# Altium PCB DSP_FPGA.PcbDoc (part 7 of 7)
Units mm, origin at the board's own origin, x right, y up, seen from the top; angles counter-clockwise.
Board outline 243.59 x 170.13 mm, 2 copper layers (Top Layer, Bottom Layer); 649 components, 606 nets, 2327 pads, 2753 vias.
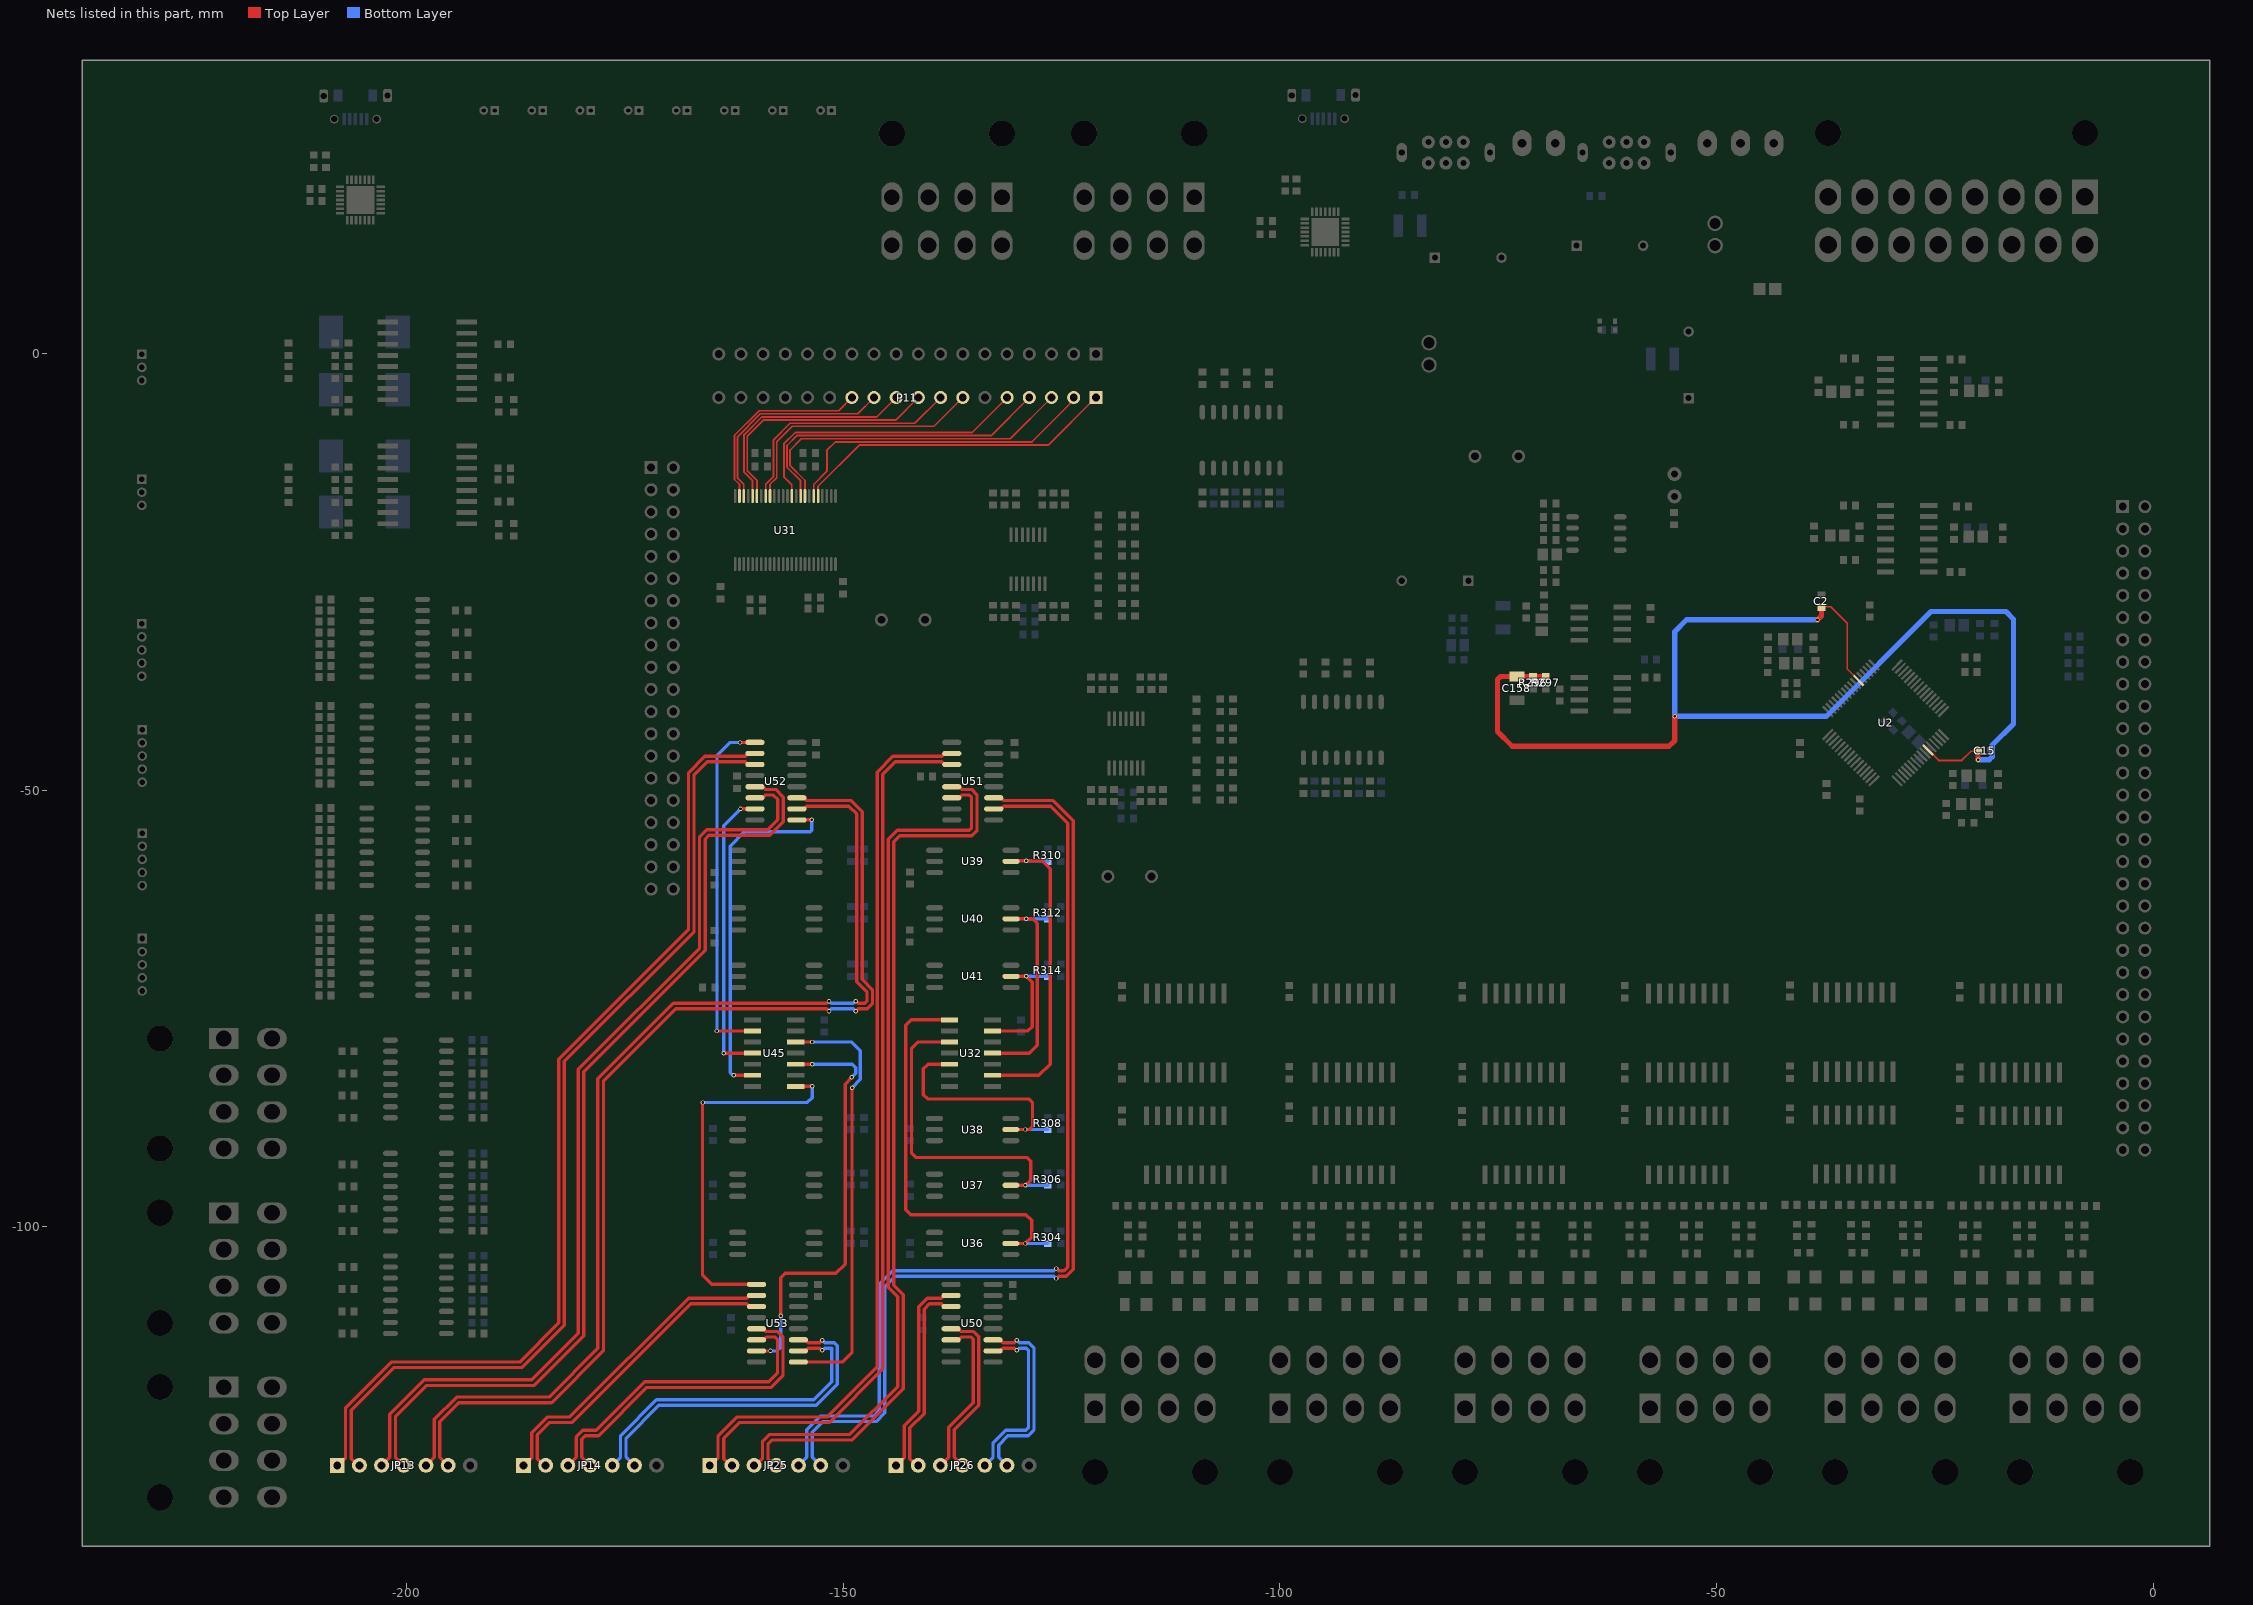
[diagram p7: the nets of this part, all layers, seen from the top]

## Via types
v1: diameter 0.5, hole 0.3, Top Layer to Bottom Layer, tented both sides, 2737 vias
v2: diameter 1.016, hole 0.508, Top Layer to Bottom Layer, tented both sides, 9 vias
v3: diameter 1, hole 0.5, Top Layer to Bottom Layer, tented both sides, 4 vias
v4: diameter 1.2, hole 0.6, Top Layer to Bottom Layer, tented both sides, 2 vias
v5: diameter 1.524, hole 0.762, Top Layer to Bottom Layer, tented both sides, 1 vias

## Nets (pads, with @x,y where several pads share a name; then routed paths per layer and width w, separated by ;. In a path a pad name is that pad's centre, name@x,y a point inside that pad or via, vN(x,y) a via of type N, cw(c..) or ccw(c..) an arc to the next point about the centre after c; other vN are vias at no path point) (continued)
PWM_PULSE_1+: JP25.1 U51.2 | length 102.8
  Top Layer w0.381: JP25.1@-165.295,-127.299 -164.635,-126.639 -164.565,-126.639 -164.342,-126.416 -164.342,-123.931 -162.179,-121.768 -151.901,-121.768 -146.126,-115.993 -146.126,-47.916 -144.312,-46.102 -138.711,-46.102 -138.394,-45.784 U51.2@-137.579,-45.784
PWM_PULSE_1-: JP25.2 U51.3 | length 101.8
  Top Layer w0.381: JP25.2@-162.755,-127.299 -162.965,-127.299 -163.707,-126.556 -163.707,-124.194 -161.916,-122.403 -151.638,-122.403 -145.491,-116.256 -145.491,-48.179 -144.049,-46.737 -138.711,-46.737 -138.394,-47.054 U51.3@-137.579,-47.054
PWM_PULSE_2: P11.5 U31.35 | length 34.1
  Top Layer w0.203: U31.35@-155.892,-16.306 -155.892,-15.015 -156.807,-14.1 -156.807,-10.325 -155.516,-9.034 -135.246,-9.034 P11.5@-131.242,-5.029
PWM_PULSE_2+: JP25.3 U51.6 | length 100.5
  Top Layer w0.381: JP25.3@-160.215,-127.299 -160.004,-127.299 -159.262,-126.556 -159.262,-124.617 -158.407,-123.761 -149.238,-123.761 -143.764,-118.288 -143.764,-108.01 -144.852,-106.922 -144.852,-55.633 -143.804,-54.585 -135.554,-54.585 -135.331,-54.361 -135.331,-50.77 -135.554,-50.547 -136.446,-50.547 -136.764,-50.864 U51.6@-137.579,-50.864
PWM_PULSE_2-: JP25.4 U51.5 | length 101.6
  Top Layer w0.381: JP25.4@-157.675,-127.299 -157.885,-127.299 -158.627,-126.556 -158.627,-124.88 -158.144,-124.396 -148.975,-124.396 -143.129,-118.551 -143.129,-107.747 -144.217,-106.659 -144.217,-55.896 -143.541,-55.22 -135.291,-55.22 -134.696,-54.624 -134.696,-50.507 -135.291,-49.912 -136.446,-49.912 -136.764,-49.594 U51.5@-137.579,-49.594
PWM_PULSE_3: P11.4 U31.33 | length 36.5
  Top Layer w0.203: U31.33@-154.892,-16.306 -154.892,-14.577 -156.451,-13.018 -156.451,-10.521 -155.32,-9.389 -133.062,-9.389 P11.4@-128.702,-5.029
PWM_PULSE_3+: JP25.5 U51.10 | length 111
  Top Layer w0.381: U51.10@-132.779,-52.134 -131.964,-52.134 -131.646,-51.817 -126.25,-51.817 -124.308,-53.759 -124.308,-104.597 -124.727,-105.016 -125.32,-105.016 -125.574,-104.762 v1(-125.603,-104.762)
  Bottom Layer w0.381: JP25.5@-155.135,-127.299 -154.182,-126.346 -154.182,-123.219 -152.616,-121.653 -146.52,-121.653 -145.885,-121.018 -145.885,-106.569 -144.332,-105.016 -125.886,-105.016 -125.632,-104.762 v1(-125.603,-104.762)
PWM_PULSE_3-: JP25.6 U51.11 | length 112
  Top Layer w0.381: U51.11@-132.779,-50.864 -131.964,-50.864 -131.646,-51.182 -125.987,-51.182 -123.673,-53.496 -123.673,-104.86 -124.464,-105.651 -125.32,-105.651 -125.574,-105.905 v1(-125.603,-105.905)
  Bottom Layer w0.381: JP25.6@-152.595,-127.299 -153.547,-126.346 -153.547,-123.482 -152.353,-122.288 -146.257,-122.288 -145.25,-121.281 -145.25,-106.832 -144.069,-105.651 -125.886,-105.651 -125.632,-105.905 v1(-125.603,-105.905)
PWM_PULSE_4: P11.3 U31.32 | length 38.4
  Top Layer w0.203: U31.32@-154.392,-16.306 -154.392,-14.531 -156.096,-12.827 -156.096,-11.04 -154.801,-9.745 -130.878,-9.745 P11.3@-126.162,-5.029
PWM_PULSE_4+: JP26.1 U50.2 | length 23.5
  Top Layer w0.381: JP26.1@-143.967,-127.299 -143.308,-126.639 -143.238,-126.639 -143.015,-126.416 -143.015,-122.742 -141.376,-121.104 -141.376,-109.144 -140.398,-108.166 -138.787,-108.166 -138.47,-107.848 U50.2@-137.655,-107.848
PWM_PULSE_4-: JP26.2 U50.3 | length 22.6
  Top Layer w0.381: JP26.2@-141.427,-127.299 -141.638,-127.299 -142.38,-126.556 -142.38,-123.005 -140.741,-121.367 -140.741,-109.407 -140.135,-108.801 -138.787,-108.801 -138.47,-109.118 U50.3@-137.655,-109.118
PWM_PULSE_5: P11.2 U31.30 | length 36.8
  Top Layer w0.203: U31.30@-153.392,-16.306 -153.392,-14.987 -151.879,-13.475 -151.879,-11.087 -150.914,-10.122 -128.41,-10.122 -123.87,-5.582 -123.87,-5.277 P11.2@-123.622,-5.029
PWM_PULSE_5+: JP26.3 U50.6 | length 18.8
  Top Layer w0.381: JP26.3@-138.887,-127.299 -137.935,-126.346 -137.935,-122.94 -135.128,-120.133 -135.128,-112.834 -135.351,-112.611 -136.522,-112.611 -136.84,-112.928 U50.6@-137.655,-112.928
PWM_PULSE_5-: JP26.4 U50.5 | length 19.8
  Top Layer w0.381: U50.5@-137.655,-111.658 -136.84,-111.658 -136.522,-111.976 -135.088,-111.976 -134.493,-112.571 -134.493,-120.396 -137.3,-123.203 -137.3,-126.346 JP26.4@-136.347,-127.299
PWM_PULSE_6: P11.1 U31.29 | length 37.1
  Top Layer w0.203: U31.29@-152.892,-16.306 -152.91,-16.287 -152.91,-15.216 -148.172,-10.477 -126.53,-10.477 P11.1@-121.082,-5.029
PWM_PULSE_6+: JP26.5 U50.10 | length 21.1
  Top Layer w0.381: U50.10@-132.855,-114.198 -132.04,-114.198 -131.722,-113.881 -130.407,-113.881 -130.153,-114.135 v1(-130.124,-114.135)
  Bottom Layer w0.381: JP26.5@-133.807,-127.299 -132.855,-126.346 -132.855,-124.722 -131.416,-123.283 -129.095,-123.283 -128.803,-122.992 -128.803,-114.104 -129.027,-113.881 -129.842,-113.881 -130.096,-114.135 v1(-130.124,-114.135)
PWM_PULSE_6-: JP26.6 U50.11 | length 22.2
  Top Layer w0.381: U50.11@-132.855,-112.928 -132.04,-112.928 -131.722,-113.246 -130.407,-113.246 -130.153,-112.992 v1(-130.124,-112.992)
  Bottom Layer w0.381: JP26.6@-131.267,-127.299 -132.22,-126.346 -132.22,-124.985 -131.153,-123.918 -128.832,-123.918 -128.168,-123.255 -128.168,-113.841 -128.764,-113.246 -129.842,-113.246 -130.096,-112.992 v1(-130.124,-112.992)
PWM_PULSE_OUT_1: R304.2 U32.1 U36.5 | length 48.5
  Top Layer w0.381: U32.1@-137.846,-76.289 -142.215,-76.289 -142.85,-76.924 -142.85,-98.039 -142.299,-98.59 -129.083,-98.59 -128.422,-99.251 -128.422,-101.168 v1(-129.146,-101.892) U36.5@-130.816,-101.892
  Bottom Layer w0.381: v1@-129.159,-101.892 v1(-129.146,-101.892) R304.2@-126.606,-101.892
PWM_PULSE_OUT_2: R306.2 U32.3 U37.5 | length 37.9
  Top Layer w0.381: U32.3@-137.846,-78.829 -141.491,-78.829 -142.189,-79.527 -142.189,-91.554 -141.694,-92.05 -128.981,-92.05 -128.549,-92.481 -128.549,-94.628 v1(-129.146,-95.225) U37.5@-130.816,-95.225
  Bottom Layer w0.381: v1@-129.159,-95.225 v1(-129.146,-95.225) R306.2@-126.606,-95.225
PWM_PULSE_OUT_3: R308.2 U32.5 U38.5 | length 26.9
  Top Layer w0.381: U32.5@-137.846,-81.369 -140.297,-81.369 -140.83,-81.902 -140.83,-84.849 -140.335,-85.344 -128.765,-85.344 -128.333,-85.776 -128.333,-88.468 -128.714,-88.849 v1(-129.146,-88.849) U38.5@-130.816,-88.849
  Bottom Layer w0.381: v1(-129.146,-88.849) R308.2@-126.594,-88.849
PWM_PULSE_OUT_4: R310.2 U32.9 U39.5 | length 36.9
  Top Layer w0.381: U32.9@-132.918,-82.639 -127.597,-82.639 -126.314,-81.356 -126.314,-58.979 -127.216,-58.077 -129.057,-58.077 U39.5@-130.791,-58.077
  Bottom Layer w0.381: v1(-129.057,-58.064) -126.672,-58.064 R310.2@-126.594,-58.143
PWM_PULSE_OUT_5: R312.2 U32.11 U40.5 | length 25.1
  Top Layer w0.381: U32.11@-132.918,-80.099 -128.689,-80.099 -127.8,-79.21 -127.8,-65.253 -128.333,-64.719 v1(-129.057,-64.719) U40.5@-130.791,-64.719
  Bottom Layer w0.381: v1(-129.057,-64.719) -126.601,-64.719 R312.2@-126.594,-64.727
PWM_PULSE_OUT_6: R314.2 U32.13 U41.5 | length 15
  Top Layer w0.381: U32.13@-132.918,-77.559 -128.88,-77.559 -128.384,-77.064 -128.384,-71.984 v1(-129.057,-71.31) U41.5@-130.791,-71.31
  Bottom Layer w0.381: v1(-129.057,-71.31) R314.2@-126.594,-71.31
PWM_WIDTH_1: P11.12 U31.47 | length 22.4
  Top Layer w0.203: U31.47@-161.892,-16.306 -161.892,-14.978 -162.458,-14.411 -162.458,-9.363 -159.64,-6.545 -150.537,-6.545 P11.12@-149.022,-5.029
PWM_WIDTH_1+: JP13.1 U52.2 | length 113.2
  Top Layer w0.381: JP13.1@-207.95,-127.299 -207.29,-126.639 -207.22,-126.639 -206.997,-126.416 -206.997,-120.704 -201.761,-115.468 -187.058,-115.468 -182.575,-110.985 -182.575,-80.772 -167.724,-65.921 -167.724,-47.972 -165.854,-46.102 -161.203,-46.102 -160.886,-45.784 U52.2@-160.121,-45.784 U52.2@-160.071,-45.784
PWM_WIDTH_1-: JP13.2 U52.3 | length 112.2
  Top Layer w0.381: JP13.2@-205.41,-127.299 -205.62,-127.299 -206.362,-126.556 -206.362,-120.968 -201.498,-116.103 -186.795,-116.103 -181.94,-111.248 -181.94,-81.035 -167.089,-66.184 -167.089,-48.235 -165.591,-46.737 -161.203,-46.737 -160.886,-47.054 U52.3@-160.121,-47.054 U52.3@-160.071,-47.054
PWM_WIDTH_2: P11.11 U31.46 | length 24.6
  Top Layer w0.203: U31.46@-161.392,-16.306 -161.392,-14.975 -162.103,-14.264 -162.103,-9.51 -159.493,-6.9 -148.353,-6.9 P11.11@-146.482,-5.029
PWM_WIDTH_2+: JP13.3 U52.6 | length 109.3
  Top Layer w0.381: JP13.3@-202.87,-127.299 -201.917,-126.346 -201.917,-121.454 -197.977,-117.513 -185.67,-117.513 -180.34,-112.183 -180.34,-81.945 -166.459,-68.064 -166.459,-55.321 -165.659,-54.521 -158.674,-54.521 -157.505,-53.353 -157.505,-51.038 -157.997,-50.547 -158.938,-50.547 -159.255,-50.864 U52.6@-160.071,-50.864
PWM_WIDTH_2-: JP13.4 U52.5 | length 110.3
  Top Layer w0.381: JP13.4@-200.33,-127.299 -201.282,-126.346 -201.282,-121.717 -197.714,-118.148 -185.407,-118.148 -179.705,-112.446 -179.705,-82.208 -171.716,-74.219 -165.824,-68.327 -165.824,-55.584 -165.396,-55.156 -158.411,-55.156 -156.87,-53.616 -156.87,-50.775 -157.733,-49.912 -158.938,-49.912 -159.255,-49.594 U52.5@-160.071,-49.594
PWM_WIDTH_3: P11.10 U31.44 | length 26.6
  Top Layer w0.203: U31.44@-160.392,-16.306 -160.392,-14.549 -161.366,-13.575 -161.366,-9.276 -159.346,-7.256 -146.168,-7.256 P11.10@-143.942,-5.029
PWM_WIDTH_3+: JP13.5 U52.10 | length 122.8
  Top Layer w0.381: JP13.5@-197.79,-127.299 -196.837,-126.346 -196.837,-122.038 -194.281,-119.482 -183.676,-119.482 -178.105,-113.91 -178.105,-83.049 -169.452,-74.397 -151.921,-74.397 -151.667,-74.143 v1(-151.638,-74.143) ; U52.10@-155.321,-52.134 -154.506,-52.134 -154.189,-51.817 -149.373,-51.817 -148.476,-52.714 -148.476,-71.916 -147.295,-73.098 -147.295,-74.173 -147.518,-74.397 -148.309,-74.397 -148.563,-74.143 v1(-148.592,-74.143)
  Bottom Layer w0.381: v1(-151.638,-74.143) -151.609,-74.143 -151.355,-74.397 -148.874,-74.397 -148.62,-74.143 v1(-148.592,-74.143)
PWM_WIDTH_3-: JP13.6 U52.11 | length 123.9
  Top Layer w0.381: JP13.6@-195.25,-127.299 -196.202,-126.346 -196.202,-122.301 -194.018,-120.117 -183.413,-120.117 -177.47,-114.173 -177.47,-83.312 -169.189,-75.032 -151.921,-75.032 -151.667,-75.286 v1(-151.638,-75.286) ; U52.11@-155.321,-50.864 -154.506,-50.864 -154.189,-51.182 -149.11,-51.182 -147.841,-52.451 -147.841,-71.653 -146.66,-72.834 -146.66,-74.436 -147.255,-75.032 -148.309,-75.032 -148.563,-75.286 v1(-148.592,-75.286)
  Bottom Layer w0.381: v1(-151.638,-75.286) -151.609,-75.286 -151.355,-75.032 -148.874,-75.032 -148.62,-75.286 v1(-148.592,-75.286)
PWM_WIDTH_4: P11.9 U31.43 | length 28.8
  Top Layer w0.203: U31.43@-159.892,-16.306 -159.892,-14.517 -161.011,-13.399 -161.011,-9.461 -159.16,-7.611 -143.984,-7.611 P11.9@-141.402,-5.029
PWM_WIDTH_4+: JP14.1 U53.2 | length 36.4
  Top Layer w0.381: JP14.1@-186.622,-127.299 -185.963,-126.639 -185.893,-126.639 -185.67,-126.416 -185.67,-123.558 -183.867,-121.755 -181.305,-121.755 -167.716,-108.166 -161.076,-108.166 -160.759,-107.848 U53.2@-159.944,-107.848
PWM_WIDTH_4-: JP14.2 U53.3 | length 35.4
  Top Layer w0.381: JP14.2@-184.082,-127.299 -184.293,-127.299 -185.035,-126.556 -185.035,-123.821 -183.604,-122.39 -181.042,-122.39 -167.453,-108.801 -161.076,-108.801 -160.759,-109.118 U53.3@-159.944,-109.118
PWM_WIDTH_5: P11.8 U31.41 | length 28
  Top Layer w0.203: U31.41@-158.892,-16.306 -158.892,-14.968 -157.988,-14.064 -157.988,-9.855 -156.1,-7.967 -141.8,-7.967 P11.8@-138.862,-5.029
PWM_WIDTH_5+: JP14.3 U53.6 | length 36.3
  Top Layer w0.381: JP14.3@-181.542,-127.299 -180.59,-126.346 -180.59,-124.045 -179.82,-123.275 -178.291,-123.275 -172.758,-117.742 -158.521,-117.742 -157.543,-116.764 -157.543,-112.834 -157.767,-112.611 -158.811,-112.611 -159.128,-112.928 U53.6@-159.944,-112.928
PWM_WIDTH_5-: JP14.4 U53.5 | length 37.3
  Top Layer w0.381: JP14.4@-179.002,-127.299 -179.955,-126.346 -179.955,-124.308 -179.557,-123.91 -178.028,-123.91 -172.495,-118.377 -158.258,-118.377 -156.909,-117.027 -156.909,-112.571 -157.504,-111.976 -158.811,-111.976 -159.128,-111.658 U53.5@-159.944,-111.658
PWM_WIDTH_6: P11.7 U31.40 | length 29.9
  Top Layer w0.203: U31.40@-158.392,-16.306 -158.392,-14.971 -157.632,-14.211 -157.632,-10.109 -155.846,-8.323 -139.615,-8.323 P11.7@-136.322,-5.029
PWM_WIDTH_6+: JP14.5 U53.10 | length 38.6
  Top Layer w0.381: U53.10@-155.143,-114.198 -154.328,-114.198 -154.011,-113.881 -152.696,-113.881 -152.442,-114.135 v1(-152.413,-114.135)
  Bottom Layer w0.381: JP14.5@-176.462,-127.299 -175.51,-126.346 -175.51,-123.913 -171.396,-119.799 -153.379,-119.799 -151.315,-117.735 -151.315,-113.881 -152.13,-113.881 -152.384,-114.135 v1(-152.413,-114.135)
PWM_WIDTH_6-: JP14.6 U53.11 | length 39.6
  Top Layer w0.381: U53.11@-155.143,-112.928 -154.328,-112.928 -154.011,-113.246 -152.696,-113.246 -152.442,-112.992 v1(-152.413,-112.992)
  Bottom Layer w0.381: JP14.6@-173.922,-127.299 -174.875,-126.346 -174.875,-124.176 -171.132,-120.434 -153.116,-120.434 -150.68,-117.998 -150.68,-113.618 -151.052,-113.246 -152.13,-113.246 -152.384,-112.992 v1(-152.413,-112.992)
PWM_WIDTH_OUT_1: U45.2 U52.1 | length 40.3
  Top Layer w0.381: -164.217,-77.559 U45.2@-160.401,-77.559 ; v1(-161.83,-44.526) U52.1@-160.173,-44.526
  Bottom Layer w0.381: v1(-164.471,-77.559) -164.471,-46.031 -162.966,-44.526 v1(-161.83,-44.526)
PWM_WIDTH_OUT_2: U45.4 U52.7 | length 33.8
  Top Layer w0.381: v1(-163.709,-80.099) U45.4@-160.401,-80.099 ; v1(-161.766,-52.109) U52.7@-160.109,-52.109
  Bottom Layer w0.381: v1(-163.709,-80.099) -163.709,-54.052 v1(-161.766,-52.109)
PWM_WIDTH_OUT_3: U45.6 U52.9 | length 41.5
  Top Layer w0.381: v1(-162.566,-82.639) U45.6@-160.401,-82.639 ; U52.9@-155.258,-53.391 v1(-153.6,-53.391)
  Bottom Layer w0.381: v1@-162.636,-82.639 -162.954,-82.321 -162.954,-56.401 -161.315,-54.762 -153.797,-54.762 -153.632,-54.597 -153.632,-53.422 v1(-153.6,-53.391)
PWM_WIDTH_OUT_4: U45.8 U53.1 | length 42.3
  Top Layer w0.381: v1(-166.116,-85.75) -166.116,-105.512 -165.049,-106.578 U53.1@-159.944,-106.578 ; U45.8@-155.473,-83.909 U45.8@-155.461,-83.909 v1(-153.575,-83.909)
  Bottom Layer w0.381: v1(-166.116,-85.75) -154.102,-85.75 -153.575,-85.223 v1(-153.575,-83.909)
PWM_WIDTH_OUT_5: U45.10 U53.7 | length 49
  Top Layer w0.381: U53.7@-159.944,-114.198 v1(-158.331,-114.198) ; v1(-157.175,-110.16) -157.175,-105.816 -156.655,-105.296 -150.843,-105.296 -149.796,-104.249 -149.796,-83.642 v1(-149.022,-82.867) ; U45.10@-155.473,-81.369 U45.10@-155.461,-81.369 v1(-153.575,-81.369)
  Bottom Layer w0.381: v1(-158.331,-114.198) -157.595,-114.198 -157.175,-113.779 v1(-157.175,-110.16) ; v1(-153.575,-81.369) -148.958,-81.369 -148.577,-81.75 -148.577,-82.423 v1(-149.022,-82.867)
PWM_WIDTH_OUT_6: U45.12 U53.9 | length 49.6
  Top Layer w0.381: U45.12@-155.448,-78.829 v1(-153.549,-78.829) ; U53.9@-155.385,-115.468 U53.9@-155.143,-115.468 -150.127,-115.468 -148.996,-114.338 v1(-148.996,-84.061)
  Bottom Layer w0.381: v1(-153.549,-78.829) -149.047,-78.829 -148.044,-79.832 -148.044,-83.109 v1(-148.996,-84.061)
REF: C2.2 C15.2 C158.2 R296.1 R297.1 U2.6 U2.43 | length 145
  Top Layer w0.203: C2.2@-37.995,-29.218 -37.758,-28.981 -36.932,-28.981 -35.055,-30.858 -35.055,-36.114 U2.6@-33.736,-37.433 ; U2.43@-25.788,-45.381 -24.585,-46.584 -21.92,-46.584 -20.879,-45.542 C15.2@-20.156,-45.542 ; C15.2@-20.066,-45.528 C15.2@-20.029,-45.491
  Top Layer w0.61: R297.1@-69.571,-36.979 R296.1@-71.018,-36.979 C158.2@-72.873,-36.979 -74.749,-36.979 -75.1,-37.33 -75.1,-43.264 -73.406,-44.958 -55.448,-44.958 -54.788,-44.298 v1(-54.788,-41.529) ; v1(-38.456,-30.48) -37.998,-30.023 C2.2@-37.998,-29.046 ; v1(-20.066,-46.507) C15.2@-20.066,-45.528
  Bottom Layer w0.61: v1(-38.456,-30.48) -53.442,-30.48 -54.788,-31.826 v1(-54.788,-41.529) -37.427,-41.529 -25.438,-29.54 -16.891,-29.54 -16.015,-30.416 -16.015,-42.405 -18.454,-44.845 -18.454,-46.166 -18.796,-46.507 v1(-20.066,-46.507)
pads on no net: J1. J1.4 J2. J2.4 JP1. JP2. JP3. JP4. JP5. JP6. JP23. L11.1@-99.674,-110.847 L12.1@-93.643,-110.847 L13.1@-87.608,-110.847 L14.1@-119.003,-110.847 L15.1@-112.973,-110.847 L16.1@-106.937,-110.847 L17.1@-42.397,-110.771 L18.1@-36.367,-110.771 L19.1@-30.331,-110.771 L20.1@-23.341,-110.86 L21.1@-17.31,-110.86 L22.1@-11.275,-110.86 L23.1@-80.243,-110.847 L24.1@-74.212,-110.847 L25.1@-68.177,-110.847 L26.1@-61.498,-110.847 L27.1@-55.467,-110.847 L28.1@-49.431,-110.847 P11.13 P11.14 P11.15 P11.16 P11.17 P12.13 P12.14 P12.15 P12.16 P12.17 P13.56 P13.57 P13.58 P14.6 P14.25 P14.27 P14.37 P14.38 P17. P22. P26. P31. P33. S1.0 S1.1 S1.6 S2.0 S2.1 S2.6 U2.14 U2.22 U2.23 U2.28 U2.31 U2.32 U2.35 U2.45 U2.53 U6.6 U6.7 U6.11 U7.13 U7.14 U7.15 U8.6 U8.7 U8.11 U9.13 U9.14 U9.15 U10.6 U10.7 U10.11 U11.13 U11.14 U11.15 U12.6 U12.7 U12.11 U13.13 U13.14 U13.15 U14.6 U14.7 U14.11 U15.13 U15.14 U15.15 U16.6 U16.7 U16.11 U17.13 U17.14 U17.15 U18.11 U18.14 U19.4 U19.5 U19.11 U19.14 U20.1 U20.2 U20.10 U20.12 U20.13 U20.14 U20.15 U20.16 U20.17 U20.18 U20.19 U20.20 U20.21 U20.22 U20.23 U20.24 U20.27 U20.28 U21.1 U21.2 U21.10 U21.12 U21.13 U21.14 U21.15 U21.16 U21.17 U21.18 U21.19 U21.20 U21.21 U21.22 U21.23 U21.24 U21.27 U21.28 U31.11 U31.12 U31.22 U31.23 U31.26 U31.27 U31.37 U31.38 U33.1 U33.3 U33.7 U33.8 U34.1 U34.5 U34.8 U36.2 U37.2 U38.2 U39.2 U40.2 U41.2 U42.2 U43.2 U44.2 U46.2 U47.2 U48.2 U50.13 U50.14 U50.15 U51.13 U51.14 U51.15 U52.13 U52.14 U52.15 U53.13 U53.14 U53.15

## Polygon pours and split planes (outlines as drawn)
DGND on Top Layer "Top Layer-DGND" (hatched 90Degree grid 0.102 track 0.127, remove dead copper, pour order 154): -237.134,33.579 -237.134,-136.55 6.452,-136.55 6.452,33.579
no net on Top Layer "Top Layer-No Net 10" (solid, pour order 158): 12.179,-45.225
+3.3V on Top Layer "Top Layer-+3.3V" (hatched 90Degree grid 0.102 track 0.127, remove dead copper, pour order 20): -69.571,-22.073 -69.571,-25.34 -77.419,-25.34 -77.419,-35.763 -79.477,-35.763 -79.477,-35.455 -79.477,-22.073
+12V on Top Layer "Top Layer-+12V" (hatched 90Degree grid 0.102 track 0.127, remove dead copper, pour order 152): -63.805,3.023 -63.805,-0.025 -58.242,-0.025 -58.242,-4.521 -54.381,-4.521 -54.381,-6.794 -45.898,-6.794 -45.898,-2.731 -56.02,-2.731 -56.02,1.499 -62.522,1.499 -62.522,3.023
no net on Top Layer "Top Layer-No Net 6" (solid, shelved, pour order 150): -70.294,17.716
-12V on Top Layer "Top Layer--12V" (hatched 90Degree grid 0.102 track 0.127, remove dead copper, shelved, pour order 142): -62.217,3.124 -62.217,1.829 -51.537,1.829 -51.537,10.439 -47.79,10.439 -47.79,13.462 -55.105,13.462 -55.105,3.124
no net on Top Layer "Top Layer-No Net 7" (solid, shelved, pour order 124): -62.205,18.529
no net on Top Layer "Top Layer-No Net 8" (solid, shelved, pour order 120): -62.306,24.219
no net on Top Layer "Top Layer-No Net 9" (solid, shelved, pour order 118): -72.187,17.805
+5V on Top Layer "Top Layer-+5V 1" (hatched 90Degree grid 0.102 track 0.127, remove dead copper, shelved, pour order 108): -84.798,12.471 -80.518,12.471 -80.518,8.56 -84.798,8.56
+5V on Top Layer "Top Layer-+5V" (hatched 90Degree grid 0.102 track 0.127, remove dead copper, pour order 76): -81.979,25.324 -89.789,25.324 -89.789,8.56 -84.798,8.56 -84.798,22.949 -81.978,22.949
no net on Top Layer "Top Layer-No Net" (solid, shelved, pour order 104): -73.266,18.199
NetL33_1 on Top Layer "Top Layer-NetL33_1" (solid, pour order 84): -67.297,-20.638 -65.367,-20.637 -65.367,-23.851 -68.682,-23.851 -68.682,-22.149 -67.513,-22.149 -67.513,-20.637
no net on Top Layer "Top Layer-No Net 2" (solid, pour order 78): -88.341,28.054
no net on Top Layer "Top Layer-No Net 3" (solid, pour order 66): -59.118,8.293
no net on Top Layer "Top Layer-No Net 4" (solid, shelved, pour order 54): -66.446,9.322
no net on Top Layer "Top Layer-No Net 5" (solid, pour order 52): -62.789,5.867
NetL33_1 on Top Layer "Top Layer-No Net 1" (hatched 90Degree grid 0.102 track 0.127, remove dead copper, shelved, pour order 40): -67.513,-20.853 -65.608,-20.853 -65.608,-23.698 -68.91,-23.698 -68.91,-22.377 -67.513,-22.377
DGND on Bottom Layer "Bottom Layer-DGND" (hatched 90Degree grid 0.102 track 0.127, remove dead copper, pour order 156): -237.134,33.579 -237.134,-136.55 6.452,-136.55 6.452,33.579
AGND on Bottom Layer "Bottom Layer-AGND" (hatched 90Degree grid 0.102 track 0.127, remove dead copper, pour order 102): 6.452,33.541 6.452,-54.851 -27.699,-54.851 -27.699,-47.968 -27.699,-43.028 -11.951,-43.028 -11.951,-23.597 -29.68,-23.597 -29.68,-40.894 -58.407,-40.894 -58.407,-26.467 -44.514,-26.467 -44.514,20.612 -69.85,20.612 -69.85,33.541
-12V on Bottom Layer "Bottom Layer--12V" (hatched 90Degree grid 0.102 track 0.127, remove dead copper, shelved, pour order 148): -62.217,3.124 -62.217,1.829 -51.537,1.829 -51.537,10.439 -47.79,10.439 -47.79,13.462 -55.105,13.462 -55.105,3.124
+12V on Bottom Layer "Bottom Layer-+12V" (hatched 90Degree grid 0.102 track 0.127, remove dead copper, pour order 136): -63.805,3.023 -63.805,-0.025 -58.242,-0.025 -58.242,-4.521 -54.381,-4.521 -54.381,-6.794 -45.898,-6.794 -45.898,-2.731 -56.02,-2.731 -56.02,1.499 -62.522,1.499 -62.522,3.023
no net on Bottom Layer "Bottom Layer-No Net 10" (solid, shelved, pour order 112): -84.607,6.325
+5V on Bottom Layer "Bottom Layer-+5V 1" (hatched 90Degree grid 0.102 track 0.127, remove dead copper, pour order 110): -84.798,12.471 -80.518,12.471 -80.518,8.56 -84.798,8.56
no net on Bottom Layer "Bottom Layer-No Net" (solid, pour order 100): 6.452,33.579
no net on Bottom Layer "Bottom Layer-No Net 1" (solid, pour order 98): 6.452,33.579
no net on Bottom Layer "Bottom Layer-No Net 5" (solid, pour order 96): 6.452,33.579
no net on Bottom Layer "Bottom Layer-No Net 6" (solid, shelved, pour order 94): -42.062,33.084
no net on Bottom Layer "Bottom Layer-No Net 7" (solid, pour order 88): 6.452,33.579
no net on Bottom Layer "Bottom Layer-No Net 8" (solid, pour order 86): -52.057,-5.791
+5V on Bottom Layer "Bottom Layer-+5V" (hatched 90Degree grid 0.102 track 0.127, remove dead copper, shelved, pour order 82): -81.979,25.324 -89.789,25.324 -89.789,8.496 -84.798,8.496 -84.798,22.949 -81.978,22.949
no net on Bottom Layer "Bottom Layer-No Net 9" (solid, pour order 74): -54.75,4.204
no net on Bottom Layer "Bottom Layer-No Net 2" (solid, pour order 26): -48.997,29.743
no net on Bottom Layer "Bottom Layer-No Net 3" (solid, pour order 24): -50.038,31.826
no net on Bottom Layer "Bottom Layer-No Net 4" (solid, pour order 22): -49.835,31.902

## Keep-outs
Keep-Out Layer:
  the board outline again, w0.254

## Other copper
Top Layer:
  pour cut-out: -163.246,-92.543 -163.246,-97.902 -152.146,-97.902 -152.146,-92.543
  pour cut-out: -140.691,-55.461 -140.691,-60.82 -129.591,-60.82 -129.591,-55.461
  pour cut-out: -140.691,-62.045 -140.691,-67.404 -129.591,-67.404 -129.591,-62.045
  pour cut-out: -140.691,-68.629 -140.691,-73.988 -129.591,-73.988 -129.591,-68.629
  pour cut-out: -140.716,-86.167 -140.716,-91.527 -129.616,-91.527 -129.616,-86.167
  pour cut-out: -140.716,-92.543 -140.716,-97.902 -129.616,-97.902 -129.616,-92.543
  pour cut-out: -140.716,-99.21 -140.716,-103.759 -129.616,-103.759 -129.616,-99.21
  pour cut-out: -163.246,-99.21 -163.246,-104.57 -152.146,-104.57 -152.146,-99.21
  pour cut-out: -163.271,-86.167 -163.271,-91.527 -152.171,-91.527 -152.171,-86.167
  pour cut-out: -163.246,-68.629 -163.246,-73.19 -152.146,-73.19 -152.146,-68.629
  pour cut-out: -163.246,-62.045 -163.246,-67.404 -152.146,-67.404 -152.146,-62.045
  pour cut-out: -163.246,-55.461 -163.246,-60.82 -152.146,-60.82 -152.146,-55.461
  pour cut-out: -215.951,-113.957 -216.129,-130.632 -214.414,-130.683 -209.296,-125.374 -209.347,-113.157 -206.007,-112.624 -206.108,-109.576 -208.839,-107.467
  pour cut-out: -202.248,-91.529 -202.248,-112.217 -214.63,-112.217 -214.63,-94.996 -213.906,-94.996 -209.017,-91.529
  pour cut-out: -122.237,-49.364 -122.237,-51.815 -118.212,-51.815 -118.212,-49.376
  pour cut-out: -117.094,-49.376 -117.094,-51.827 -112.84,-51.827 -112.84,-49.389
Bottom Layer:
  pour cut-out: -140.691,-55.461 -140.691,-60.82 -129.591,-60.82 -129.591,-55.461
  pour cut-out: -140.691,-62.045 -140.691,-67.404 -129.591,-67.404 -129.591,-62.045
  pour cut-out: -140.691,-68.629 -140.691,-73.988 -129.591,-73.988 -129.591,-68.629
  pour cut-out: -140.716,-86.167 -140.716,-91.527 -129.616,-91.527 -129.616,-86.167
  pour cut-out: -140.716,-92.543 -140.716,-97.902 -129.616,-97.902 -129.616,-92.543
  pour cut-out: -140.716,-99.21 -140.716,-103.759 -129.616,-103.759 -129.616,-99.21
  pour cut-out: -163.246,-99.21 -163.246,-104.57 -152.146,-104.57 -152.146,-99.21
  pour cut-out: -163.246,-92.543 -163.246,-97.902 -152.146,-97.902 -152.146,-92.543
  pour cut-out: -163.246,-86.167 -163.246,-91.527 -152.146,-91.527 -152.146,-86.167
  pour cut-out: -163.246,-68.629 -163.246,-73.203 -152.146,-73.203 -152.146,-68.629
  pour cut-out: -163.246,-62.045 -163.246,-67.404 -152.146,-67.404 -152.146,-62.045
  pour cut-out: -163.246,-55.461 -163.246,-60.82 -152.146,-60.82 -152.146,-55.461
  pour cut-out: -13.411,-3.378 -13.411,-21.133 -11.925,-21.133 -11.925,-3.378
  pour cut-out: -66.446,25.578 -53.543,25.578 -53.543,20.231 -66.446,20.231
  pour cut-out: -13.297,-41.821 -13.36,-47.752 -15.9,-47.727 -16.053,-51.156 -12.941,-51.27 -11.252,-49.466 -11.316,-41.974 -13.208,-41.821
  pour cut-out: -6.718,-48.997 -6.655,-51.968 -6.02,-52.959 -0.902,-53.289 -0.97,-50.324 -4.933,-48.942 -6.758,-48.718
  pour cut-out: -28.298,-32.002 -39.461,-43.032 -30.62,-51.791 -30.264,-52.197 -19.299,-41
  pour cut-out: -27.635,-5.588 -27.635,-4.089 -27.788,-4.089 -29.362,-5.664 -29.362,-6.121 -28.169,-6.121
  pour cut-out: -28.575,-6.528 -35.814,-6.528 -36.517,-7.23 -37.02,-6.718 -36.22,-5.918 -28.55,-5.918 -28.55,-6.502

## Silkscreen, mask and mechanical layers (free items; w line width, h text height)
Top Overlay:
  lines w0.013: -72.568,-32.233 -72.542,-32.233 ; -68.199,-27.61 -68.199,-27.584
  lines w1: -44.488,29.185 -41.923,29.185 ; -43.243,27.902 -43.243,30.467
Mechanical 13:
  circle w0.254: c0.004,-103.886 r2
  circle w0.254: c0,-103.886 r4
  circle w0.254: c-171.996,-0.051 r2
  circle w0.254: c-172.085,0 r4
  circle w0.254: c-171.996,-104.051 r2
  circle w0.254: c-172.085,-104.14 r4
  circle w0.254: c0.004,-0.051 r2
  circle w0.254: c0,0 r4
  lines w0.254: -236.398,-135.814 5.842,-135.814 5.842,33.045 -236.398,33.045 -236.398,-135.814

## Text inside footprints (layer, text, board x,y; h text height)
C138: Top Overlay "+" at -70.362,13.094 h1.5 r180
C139: Top Overlay "+" at -86.58,11.722 h1.5 r180
C142: Top Overlay "+" at -53.95,-9.427 h1.5 r270
C159: Top Overlay "+" at -74.113,-26.746 h1.5
P13: Top Overlay "2" at -1.473,-14.986 h1.27 r270; Top Overlay "1" at -4.013,-14.986 h1.27 r270; Top Overlay "59" at -4.013,-93.218 h1.27 r270; Top Overlay "60" at -1.473,-93.218 h1.27 r270; Bottom Overlay "1" at 9.728,-18.872 h1.27 r270
P14: Top Overlay "1" at -172.58,-10.744 h1.52 r270; Top Overlay "2" at -169.977,-10.516 h1.52 r270; Top Overlay "40" at -169.977,-63.348 h1.27 r270; Top Overlay "39" at -172.517,-63.348 h1.27 r270
U1: Top Overlay "*" at -25.476,-9.881 h1.27 r180; Mechanical 13 "*" at -25.476,-9.881 h1.27 r180
U2: Top Overlay "*" at -32.559,-34.182 h1.27 r315; Mechanical 13 "*" at -32.559,-34.182 h1.27 r315
U3: Top Overlay "*" at -25.476,-26.721 h1.27 r180; Mechanical 13 "*" at -25.476,-26.721 h1.27 r180
U4: Top Overlay "*" at -121.076,-47.713 h1.27 r90; Mechanical 13 "*" at -121.076,-47.713 h1.27 r90
U5: Top Overlay "*" at -132.303,-26.619 h1.27 r90; Mechanical 13 "*" at -132.303,-26.619 h1.27 r90
U6: Top Overlay "*" at -97.676,-82.563 h1.27 r90; Mechanical 13 "*" at -97.676,-82.563 h1.27 r90
U7: Top Overlay "*" at -97.676,-94.272 h1.27 r90; Mechanical 13 "*" at -97.676,-94.272 h1.27 r90
U8: Top Overlay "*" at -117.005,-82.563 h1.27 r90; Mechanical 13 "*" at -117.005,-82.563 h1.27 r90
U9: Top Overlay "*" at -117.005,-94.272 h1.27 r90; Mechanical 13 "*" at -117.005,-94.272 h1.27 r90
U10: Top Overlay "*" at -40.399,-82.486 h1.27 r90; Mechanical 13 "*" at -40.399,-82.486 h1.27 r90
U11: Top Overlay "*" at -40.399,-94.196 h1.27 r90; Mechanical 13 "*" at -40.399,-94.196 h1.27 r90
U12: Top Overlay "*" at -21.323,-82.575 h1.27 r90; Mechanical 13 "*" at -21.323,-82.575 h1.27 r90
U13: Top Overlay "*" at -21.323,-94.285 h1.27 r90; Mechanical 13 "*" at -21.323,-94.285 h1.27 r90
U14: Top Overlay "*" at -78.245,-82.563 h1.27 r90; Mechanical 13 "*" at -78.245,-82.563 h1.27 r90
U15: Top Overlay "*" at -78.245,-94.272 h1.27 r90; Mechanical 13 "*" at -78.245,-94.272 h1.27 r90
U16: Top Overlay "*" at -59.499,-82.563 h1.27 r90; Mechanical 13 "*" at -59.499,-82.563 h1.27 r90
U17: Top Overlay "*" at -59.499,-94.272 h1.27 r90; Mechanical 13 "*" at -59.499,-94.272 h1.27 r90
U18: Top Overlay "*" at -192.862,-21.184 h1.27 r180; Mechanical 13 "*" at -192.862,-21.184 h1.27 r180
U19: Top Overlay "*" at -192.862,-6.985 h1.27 r180; Mechanical 13 "*" at -192.862,-6.985 h1.27 r180
U20: Top Overlay "*" at -203.177,21.031 h1.27 r270; Mechanical 13 "*" at -203.177,21.031 h1.27 r270
U21: Top Overlay "*" at -92.687,17.361 h1.27 r270; Mechanical 13 "*" at -92.687,17.361 h1.27 r270
U31: Top Overlay "*" at -163.36,-24.67 h1.27 r90; Mechanical 13 "*" at -163.36,-24.67 h1.27 r90
U32: Top Overlay "*" at -138.1,-74.587 h1.27; Mechanical 13 "*" at -138.1,-74.587 h1.27
U33: Top Overlay "*" at -60.554,-34.531 h1.27 r180; Mechanical 13 "*" at -60.554,-34.531 h1.27 r180
U34: Top Overlay "*" at -60.554,-42.621 h1.27 r180; Mechanical 13 "*" at -60.554,-42.621 h1.27 r180
U45: Top Overlay "*" at -160.642,-74.587 h1.27; Mechanical 13 "*" at -160.642,-74.587 h1.27